# Altium PCB Drivers.PcbDoc (part 1 of 2) (continued)
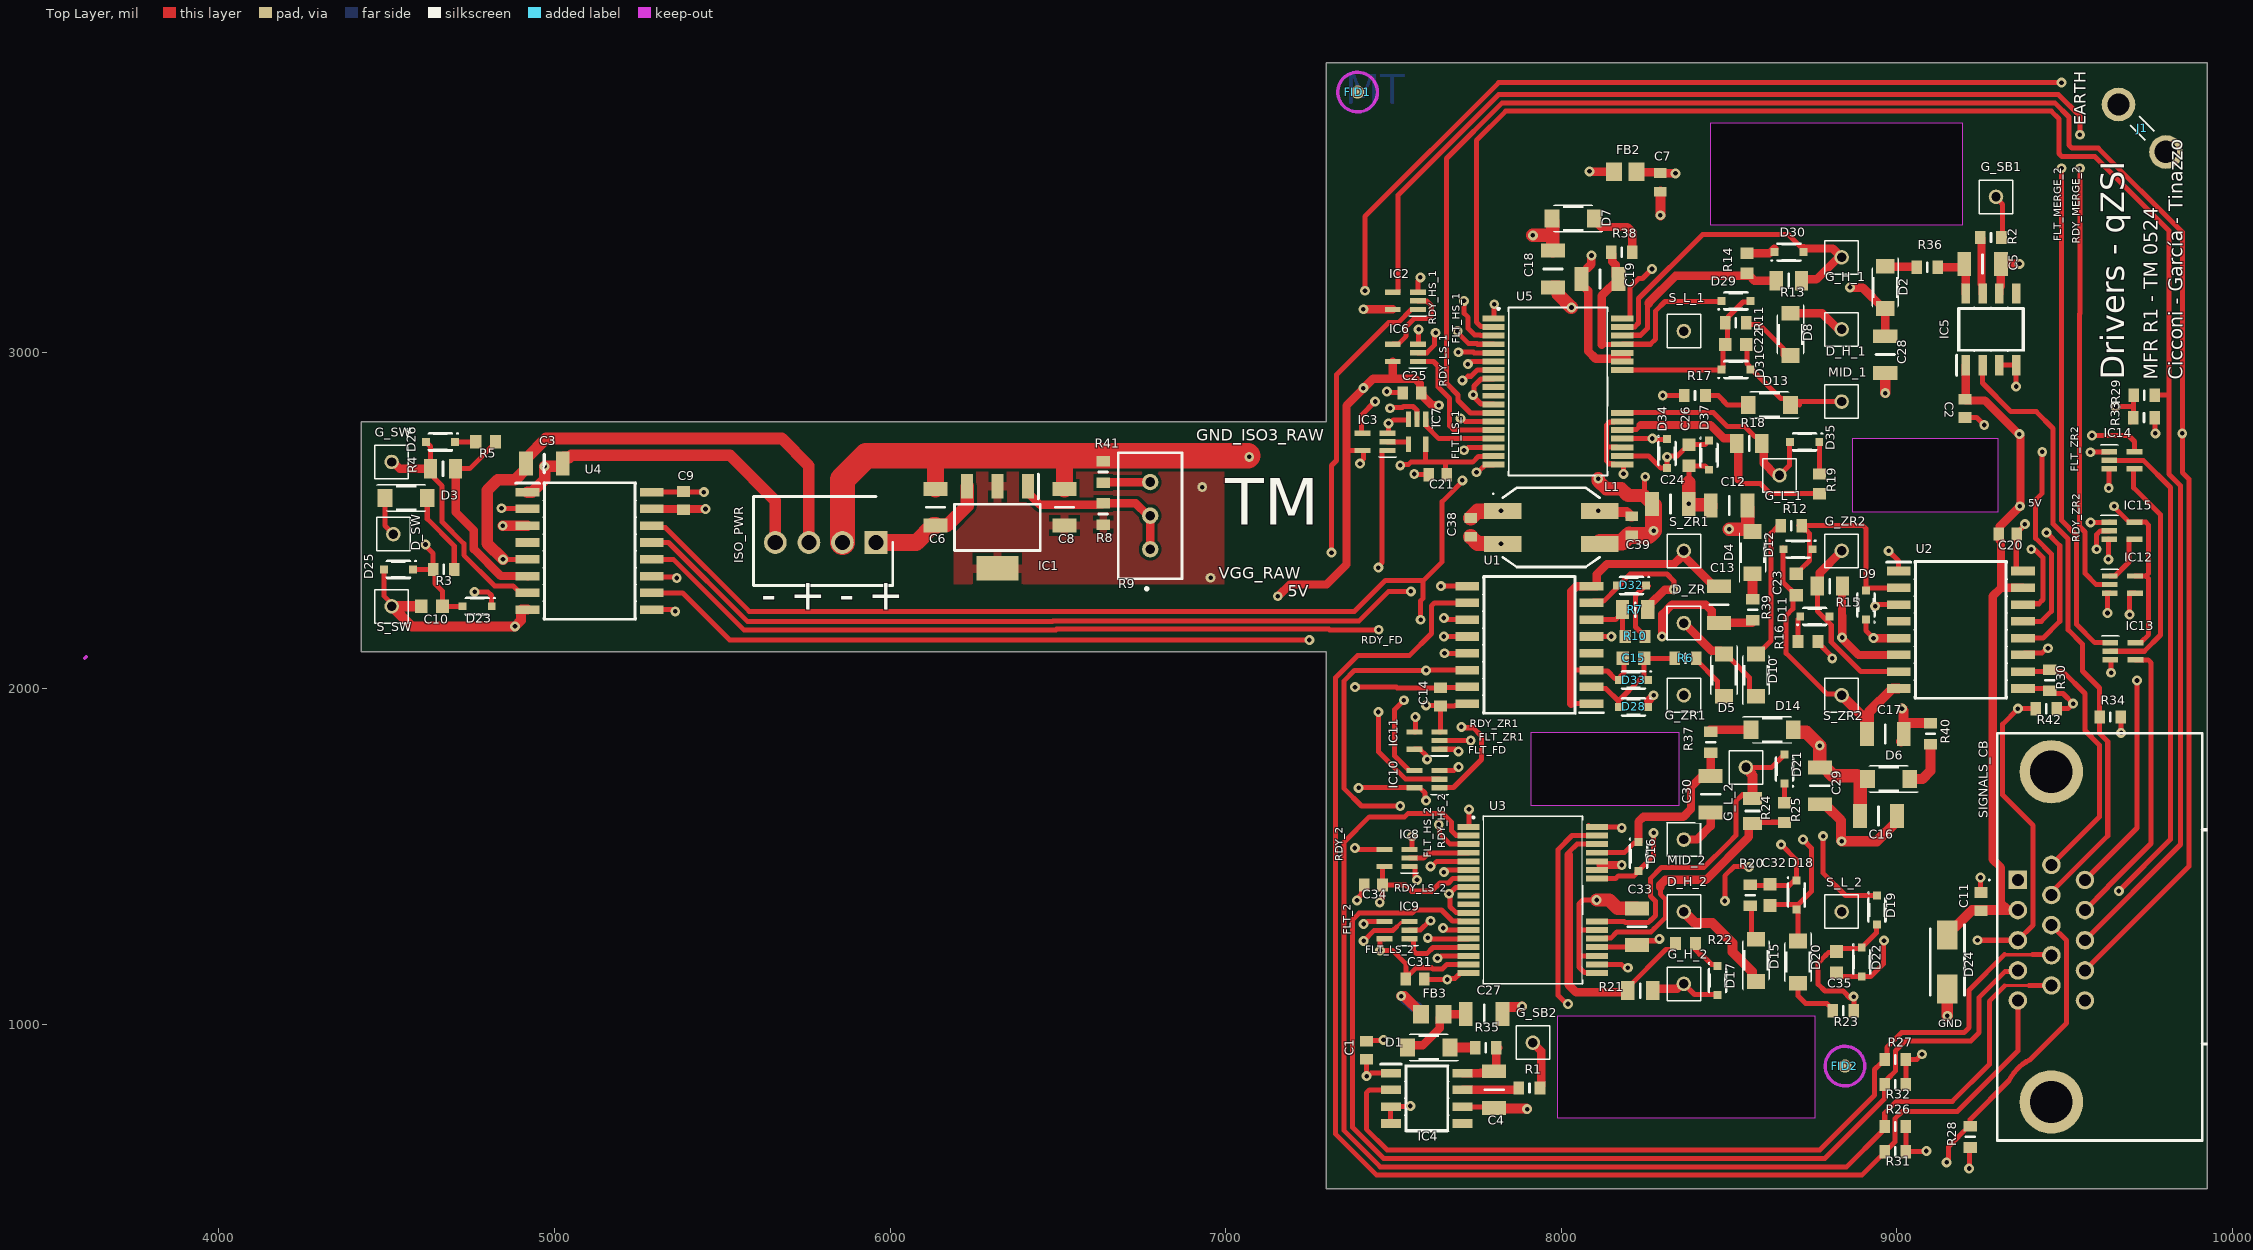
[diagram p0: Top Layer view]
## Components (designator, comment, footprint, x,y, rotation, side; value= is the part's Value field where it differs from the comment)
C1 "100n" CAPC1608X95N 7420,922.17 r90 top
C2 "100n" CAPC1608X95N 9202.76,2834.65 r270 top
C3 "1u 50V 1206" CAPC3216X180N 4970,2670 r180 top value=1u
C4 "1u 50V 1206" CAPC3216X180N 7800,805 r90 top value=1u
C5 "1u 50V 1206" CAPC3216X180N 9255,3265 r180 top value=1u
C6 "1u 50V 1206" CAPC3216X180N 6135,2540 r270 top value=1u
C7 "CGA3E2X7R1H103K080AA" CAPC1608X90N 8295,3507.95 r270 top value=10n
C8 "1u 50V 1206" CAPC3216X180N 6520,2540 r270 top value=1u
C9 "100n" CAPC1608X95N 5385,2560 r90 top
C10 "220p" C0603 4635,2245 r0 top
C11 "100n" CAPC1608X95N 9250,1365 r90 top
C12 "1u 50V 1206" CAPC3216X180N 8500,2545 r0 top value=1u
C13 "1u 50V 1206" CAPC3216X180N 8470,2250 r270 top value=1u
C14 "100n" CAPC1608X95N 7640,1975 r270 top
C15 "220p" C0603 8215,2090 r0 top
C16 "1u 50V 1206" CAPC3216X180N 8945,1620 r180 top value=1u
C17 "1u 50V 1206" CAPC3216X180N 8965.28,1865 r0 top value=1u
C18 "1u 50V 1206" CAPC3216X180N 7975,3250 r90 top value=1u
C19 "1u 50V 1206" CAPC3216X180N 8115,3220 r0 top value=1u
C20 "100n" CAPC1608X95N 9330,2460 r0 top
C21 "100n" CAPC1608X95N 7631.83,2637 r180 top
C22 "220p" C0603 8520,3025 r180 top
C23 "220p" C0603 8700,2310 r90 top
C24 "1u 50V 1206" CAPC3216X180N 8325,2550 r180 top value=1u
C25 "100n" CAPC1608X95N 7555,2880 r180 top
C26 "220p" C0603 8380,2695 r90 top
C27 "1u 50V 1206" CAPC3216X180N 7770,1030 r180 top value=1u
C28 "1u 50V 1206" CAPC3216X180N 8965,2995 r90 top value=1u
C29 "1u 50V 1206" CAPC3216X180N 8770,1710 r90 top value=1u
C30 "1u 50V 1206" CAPC3216X180N 8445,1685 r90 top value=1u
C31 "100n" CAPC1608X95N 7564,1134 r0 top
C32 "220p" C0603 8622,1384.95 r90 top
C33 "1u 50V 1206" CAPC3216X180N 8225,1290 r270 top value=1u
C34 "100n" CAPC1608X95N 7440,1415 r180 top
C35 "220p" C0603 8820,1185 r90 top
C36 "C1206C102KGRACAUTO" C1206 8025,3540 r180 bottom
C37 "C1206C102KGRACAUTO" C1206 7517.74,1032.74 r180 bottom
C38 "CGA3E2X7R1H103K080AA" CAPC1608X90N 7730,2480 r90 top value=10n
C39 "CGA3E2X7R1H103K080AA" CAPC1608X90N 8210,2485 r90 top value=10n
C40 "C1206C102KGRACAUTO" C1206 7760,2530 r180 bottom
C41 "C1206C102KGRACAUTO" C1206 7761.26,2430.79 r180 bottom
D1 "FUS1ME" SODFL3718X120N 7605,930 r180 top
D2 "FUS1ME" SODFL3718X120N 8965,3195 r270 top
D3 "FUS1ME" SODFL3718X120N 4558,2568 r0 top
D4 "FUS1ME" SODFL3718X120N 8570,2405 r90 top
D5 "FUS1ME" SODFL3718X120N 8485,2040 r270 top
D6 "FUS1ME" SODFL3718X120N 8975,1730 r180 top
D7 "FUS1ME" SODFL3718X120N 8035,3400 r180 top
D8 "FUS1ME" SODFL3718X120N 8683,3055 r270 top
D9 "BAT165AX" BAT165AX 8908,2249 r90 top
D10 "FUS1ME" SODFL3718X120N 8580,2040 r90 top
D11 "BAT165AX" BAT165AX 8755,2215 r0 top
D12 "BAT165AX" BAT165AX 8705,2415 r180 top
D13 "FUS1ME" SODFL3718X120N 8620,2845 r180 top
D14 "FUS1ME" SODFL3718X120N 8628,1877 r0 top
D15 "FUS1ME" SODFL3718X120N 8580,1190 r90 top
D16 "BAT165AX" BAT165AX 8230,1500 r270 top
D17 "BAT165AX" BAT165AX 8465,1130 r270 top
D18 "BAT165AX" BAT165AX 8700,1385 r270 top
D19 "BAT165AX" BAT165AX 8940,1340 r270 top
D20 "FUS1ME" SODFL3718X120N 8705,1185 r270 top
D21 "BAT165AX" BAT165AX 8665,1760 r90 top
D22 "BAT165AX" BAT165AX 8895,1185 r270 top
D23 "BAT165AX" BAT165AX 4770,2245 r180 top
D24 "SMAJ5.0A" DIOM5026X229N 9150,1185 r270 top
D25 "BAT165AX" BAT165AX 4535,2355 r180 top
D26 "BAT165AX" BAT165AX 4660,2735 r180 top
D28 "BAT165AX" BAT165AX 8215,1945 r180 top
D29 "BAT165AX" BAT165AX 8520,3155 r0 top
D30 "BAT165AX" BAT165AX 8678,3300 r0 top
D31 "BAT165AX" BAT165AX 8520,2950 r0 top
D32 "BAT165AX" BAT165AX 8209,2307 r180 top
D33 "BAT165AX" BAT165AX 8215,2025 r180 top
D34 "BAT165AX" BAT165AX 8315,2700 r270 top
D35 "BAT165AX" BAT165AX 8725,2735 r180 top
D37 "BAT165AX" BAT165AX 8440,2695 r270 top
D_H_1 "SS-101-T-2" SS-101-XX-2 8835,3070 r90 top locked
D_H_2 "SS-101-T-2" SS-101-XX-2 8365,1335 r0 top locked
D_SW "D_SW" SS-101-XX-2 4520,2460 r0 top
D_ZR "SS-101-T-2" SS-101-XX-2 8365,2195 r270 top locked
FB2 "78279220601" BEADC2012X110N 8190,3540 r0 top
FB3 "78279220601" BEADC2012X110N 7615,1030 r0 top
FID1 "Fiducial" Fiducial 7393,3777 r0 top
FID2 "Fiducial" Fiducial 8845,875 r0 top
G_H_1 "SS-101-T-2" SS-101-XX-2 8835,3284.57 r90 top locked
G_H_2 "SS-101-T-2" SS-101-XX-2 8365,1120 r0 top locked
G_L_1 "SS-101-T-2" SS-101-XX-2 8650,2635 r90 top locked
G_L_2 "SS-101-T-2" SS-101-XX-2 8550,1765 r0 top locked
G_SB1 "SS-101-T-2" SS-101-XX-2 9295,3465 r90 top locked
G_SB2 "SS-101-T-2" SS-101-XX-2 7915,945 r0 top locked
G_SW "G_SW" SS-101-XX-2 4515,2675 r0 top
G_ZR1 "SS-101-T-2" SS-101-XX-2 8365,1980 r90 top locked
G_ZR2 "SS-101-T-2" SS-101-XX-2 8835,2410 r0 top locked
IC1 "NCP1117LPSTADT3G" SOT230P700X180-4N 6320,2480 r270 top
IC2 "74LVC1G08GW,125" SOT65P210X110-5N 7535,3155 r180 top
IC3 "74LVC1G08GW,125" SOT65P210X110-5N 7445,2735 r180 top
IC4 "IRS2101" SOIC127P600X175-8N 7599.23,779 r0 top
IC5 "IRS2101" SOIC127P600X175-8N 9280,3070 r90 top
IC6 "74LVC1G08GW,125" SOT65P210X110-5N 7535,3000 r180 top
IC7 "74LVC1G08GW,125" SOT65P210X110-5N 7570,2765 r270 top
IC8 "74LVC1G08GW,125" SOT65P210X110-5N 7510,1495 r180 top
IC9 "74LVC1G08GW,125" SOT65P210X110-5N 7510,1280 r180 top
IC10 "74LVC1G08GW,125" SOT65P210X110-5N 7600,1730 r180 top
IC11 "74LVC1G08GW,125" SOT65P210X110-5N 7600,1845 r180 top
IC12 "74LVC1G08GW,125" SOT65P210X110-5N 9671.4,2309.59 r0 top
IC13 "74LVC1G08GW,125" SOT65P210X110-5N 9673,2111 r0 top
IC14 "74LVC1G08GW,125" SOT65P210X110-5N 9670,2680 r0 top
IC15 "74LVC1G08GW,125" SOT65P210X110-5N 9670,2470 r0 top
ISO_PWR "3-647050-4" SHDR4W66P0X254_1X4_1016X635X1079P 5958,2435 r180 top
J1 "19705-4303" 197054303 9801.42,3598.58 r135 top
L1 "50105AC" 50105AC 7970,2480 r0 top
MID_1 "SS-101-T-2" SS-101-XX-2 8835,2855 r90 top locked
MID_2 "SS-101-T-2" SS-101-XX-2 8365,1550 r0 top locked
R1 "CRCW0603150RFKEBC" RESC1608X55N 7905,810 r0 top value=150
R2 "CRCW0603150RFKEBC" RESC1608X55N 9280,3344 r0 top value=150
R3 "CRCW06031K00FKEAC" RESC1608X55N 4670,2355 r0 top value=1k
R4 "4R7 0805" RESC2012X60N 4668,2655 r180 top value=4R7
R5 "CRCW060310R0FKEAHP" RESC1608X50N 4795,2735 r180 top value=10
R6 "CRCW06031K00FKEAC" RESC1608X55N 8370,2090 r0 top value=1k
R7 "4R7 0805" RESC2012X60N 8220,2235 r0 top value=4R7
R8 "CRCW0603220RFKEAC" RESC1608X55N 6635,2520 r90 top value=220
R9 "5k" 3296W-1 6775,2515 r90 top
R10 "CRCW060310R0FKEAHP" RESC1608X50N 8220,2155 r0 top value=10
R11 "CRCW06031K00FKEAC" RESC1608X55N 8520,3090 r0 top value=1k
R12 "CRCW06031K00FKEAC" RESC1608X55N 8685,2485 r180 top value=1k
R13 "4R7 0805" RESC2012X60N 8678,3215 r0 top value=4R7
R14 "CRCW060310R0FKEAHP" RESC1608X50N 8553,3267 r90 top value=10
R15 "4R7 0805" RESC2012X60N 8800,2305 r180 top value=4R7
R16 "CRCW060310R0FKEAHP" RESC1608X50N 8735,2140 r180 top value=10
R17 "CRCW06031K00FKEAC" RESC1608X55N 8398,2873 r0 top value=1k
R18 "4R7 0805" RESC2012X60N 8560,2730 r0 top value=4R7
R19 "CRCW060310R0FKEAHP" RESC1608X50N 8769,2610 r90 top value=10
R20 "CRCW06031K00FKEAC" RESC1608X55N 8563,1384 r270 top value=1k
R21 "4R7 0805" RESC2012X60N 8235,1100 r0 top value=4R7
R22 "CRCW060310R0FKEAHP" RESC1608X50N 8370,1240 r0 top value=10
R23 "CRCW06031K00FKEAC" RESC1608X55N 8840,1040 r180 top value=1k
R24 "4R7 0805" RESC2012X60N 8570,1635 r90 top value=4R7
R25 "CRCW060310R0FKEAHP" RESC1608X50N 8665,1630 r90 top value=10
R26 "RMC1_16K1002FTP" RESC1608X55N 8995,695 r180 top value=10k
R27 "RMC1_16K1002FTP" RESC1608X55N 8995,895 r180 top value=10k
R28 "RMC1_16K1002FTP" RESC1608X55N 9218,664 r90 top value=10k
R29 "RMC1_16K1002FTP" RESC1608X55N 9737,2874 r0 top value=10k
R30 "RMC1_16K1002FTP" RESC1608X55N 9455,2025 r90 top value=10k
R31 "RMC1_16K1002FTP" RESC1608X55N 8995,620 r180 top value=10k
R32 "RMC1_16K1002FTP" RESC1608X55N 8995,820 r180 top value=10k
R33 "RMC1_16K1002FTP" RESC1608X55N 9736,2807 r0 top value=10k
R34 "RMC1_16K1002FTP" RESC1608X55N 9635,1915 r180 top value=10k
R35 "1R" RESC1608X55N 7775,930 r0 top
R36 "1R" RESC1608X55N 9090,3255 r0 top
R37 "1R" RESC1608X55N 8445,1840 r270 top
R38 "1R" RESC1608X55N 8180,3300 r180 top
R39 "1R" RESC1608X55N 8570,2235 r270 top
R40 "1R" RESC1608X55N 9100,1865 r90 top
R41 "680R" RESC1608X55N 6635,2645 r90 top
R42 "RMC1_16K1002FTP" RESC1608X55N 9445,1940 r180 top value=10k
S_L_1 "SS-101-T-2" SS-101-XX-2 8365,3065 r90 top locked
S_L_2 "SS-101-T-2" SS-101-XX-2 8835,1335 r0 top locked
S_SW "S_SW" SS-101-XX-2 4515,2245 r0 top
S_ZR1 "SS-101-T-2" SS-101-XX-2 8365,2410 r90 top locked
S_ZR2 "SS-101-T-2" SS-101-XX-2 8835,1980 r0 top locked
SIGNALS_CB "ICD15S13E6GL00LF" ICD15S13E6GL00LF 9360,1429.53 r90 top locked
U1 "1ED020I12B2XUMA1" SOIC127P1028X264-16N 7905,2130 r180 top locked
U2 "1ED020I12B2XUMA1" SOIC127P1028X264-16N 9190,2175 r0 top locked
U3 "2ED020I12F2XUMA1" 2ED020I12F2XUMA1 7915,1370 r0 top locked
U4 "1ED020I12B2XUMA1" SOIC127P1028X264-16N 5105,2410 r0 top
U5 "2ED020I12F2XUMA1" 2ED020I12F2XUMA1 7990,2885 r0 top locked

## Footprints (in the part's own frame and the unit in brackets; to place one, negate y for a bottom-side part, rotate by r counter-clockwise, add the part's x,y. Pads: shape width x height; smd on the part's side, far side on the other; paste and mask are expansions set on the pad)
2ED020I12F2XUMA1 [mm]
  rect 1.67x0.45 smd: 1(-4.865,5.525) 2(-4.865,4.875) 3(-4.865,4.225) 4(-4.865,3.575) 5(-4.865,2.925) 6(-4.865,2.275) 7(-4.865,1.625) 8(-4.865,0.975) 9(-4.865,0.325) 10(-4.865,-0.325) 11(-4.865,-0.975) 12(-4.865,-1.625) 13(-4.865,-2.275) 14(-4.865,-2.925) 15(-4.865,-3.575) 16(-4.865,-4.225) 17(-4.865,-4.875) 18(-4.865,-5.525) 19(4.865,-5.525) 20(4.865,-4.875) 21(4.865,-4.225) 22(4.865,-3.575) 23(4.865,-2.925) 24(4.865,-2.275) 25(4.865,-1.625) 30(4.865,1.625) 31(4.865,2.275) 32(4.865,2.925) 33(4.865,3.575) 34(4.865,4.225) 35(4.865,4.875) 36(4.865,5.525)
  silkscreen extent -4.55,-6.4 3.8,6.4
3296W-1 [mm]
  round 1.24 hole 0.74: 1(-2.54,0) 2(0,0) 3(2.54,0)
  silkscreen extent -5.64,-2.41 4.76,2.41, body extent -4.78,-2.48 4.78,2.35, height 11.55
50105AC [mm]
  rect 2.85x1.2 smd: 1(-3.675,1.25) 2(3.675,1.25) 3(3.675,-1.25) 4(-3.675,-1.25)
  silkscreen extent -4.44,-3 3.65,3, body extent -4.98,-3 4.98,3, height 4.9
197054303 [mm]
  round 2.55 hole 1.7: 1(0,0) 2(5.08,0)
  silkscreen extent 1.74,-0.5 3.34,0.5, body extent -1.4,-0.41 6.48,0.41, height 10.27
BAT165AX [mm]
  rect 0.6x0.6 smd: 1(-1.1,0) 2(1.1,0)
  silkscreen extent -1.41,-0.73 0.96,0.73, body extent -1.24,-0.62 1.24,0.63, height 0.93
BEADC2012X110N [mm]
  rect 1.2x1.4 smd: 1(-0.85,0) 2(0.85,0)
  body extent -1,-0.6 1,0.6, height 1.1
C0603 [mm]
  rect 0.95x1 smd: 1(-0.8,0) 2(0.8,0)
  body extent -0.87,-0.48 0.88,0.47, height 0.87
C1206 [mm]
  rect 1.15x1.8 smd: 1(-1.5,0) 2(1.5,0)
  body extent -1.7,-0.9 1.7,0.9, height 1.75
CAPC1608X90N [mm]
  rect 0.73x0.94 smd: 1(-0.71,0) 2(0.71,0)
  body extent -0.8,-0.4 0.8,0.4, height 0.9
CAPC1608X95N [mm]
  rect 0.81x0.99 smd: 1(-0.69,0) 2(0.69,0)
  body extent -0.82,-0.43 0.82,0.43, height 0.95
CAPC3216X180N [mm]
  rect 1.05x1.82 smd: 1(-1.39,0) 2(1.39,0)
  silkscreen extent -0.11,-0.81 0.11,0.81, body extent -1.6,-0.8 1.6,0.8, height 1.8
DIOM5026X229N [mm]
  rect 2.2x1.55 smd: 1(-2.05,0) 2(2.05,0)
  silkscreen extent -2.83,-1.3 2.52,1.3, body extent -2.52,-1.3 2.52,1.3, height 2.29
Fiducial [mm]
  round 1 smd paste-1 mask+1: 1(0,0)
  Top Layer keep-out circle w0.254: c0,0 r1.5
ICD15S13E6GL00LF [mm]
  rect 1.4x1.4 hole 0.9: 1(0,0)
  round 1.4 hole 0.9: 2(-2.28,0) 3(-4.56,0) 4(-6.84,0) 5(-9.12,0) 6(1.14,-2.54) 7(-1.14,-2.54) 8(-3.42,-2.54) 9(-5.7,-2.54) 10(-7.98,-2.54) 11(0,-5.08) 12(-2.28,-5.08) 13(-4.56,-5.08) 14(-6.84,-5.08) 15(-9.12,-5.08)
  round 4.8 hole 3.2: MH1(8.19,-2.54) MH2(-16.8,-2.54)
  silkscreen extent -19.71,-14.35 11.1,2.2, body extent -19.8,-20.02 11.19,1.56, height 12.55
RESC1608X50N [mm]
  rect 0.85x1 smd: 1(-0.75,0) 2(0.75,0)
  body extent -0.5,-0.25 0.5,0.25, height 0.35
RESC1608X55N [mm]
  rect 0.8x1 smd: 1(-0.8,0) 2(0.8,0)
  silkscreen extent 0,-0.33 0,0.33, body extent -0.8,-0.43 0.8,0.43, height 0.55
RESC2012X60N [mm]
  rect 1x1.45 smd: 1(-0.95,0) 2(0.95,0)
  silkscreen extent 0,-0.53 0,0.53, body extent -1,-0.63 1,0.63, height 0.5
SHDR4W66P0X254_1X4_1016X635X1079P [mm]
  rect 1.725x1.725 hole 1.15: 1(0,0)
  round 1.725 hole 1.15: 2(2.54,0) 3(5.08,0) 4(7.62,0)
  silkscreen extent -1.27,-3.48 9.27,3.25, body extent -1.28,-2.88 8.88,3.47, height 10.52
SODFL3718X120N [mm]
  rect 1.12x1.37 smd: 1(-1.6,0) 2(1.6,0)
  silkscreen extent -2.25,-1.03 1.49,1.03, body extent -1.85,-0.92 1.85,0.92, height 1.2
SOIC127P600X175-8N [mm]
  rect 1.525x0.65 smd: 1(-2.712,1.905) 2(-2.712,0.635) 3(-2.712,-0.635) 4(-2.712,-1.905) 5(2.712,-1.905) 6(2.712,-0.635) 7(2.712,0.635) 8(2.712,1.905)
  silkscreen extent -3.58,-2.56 1.71,2.69, body extent -3,-2.45 3,2.45, height 1.75
SOIC127P1028X264-16N [mm]
  rect 1.8x0.65 smd: 1(-4.7,4.445) 2(-4.7,3.175) 3(-4.7,1.905) 4(-4.7,0.635) 5(-4.7,-0.635) 6(-4.7,-1.905) 7(-4.7,-3.175) 8(-4.7,-4.445) 9(4.7,-4.445) 10(4.7,-3.175) 11(4.7,-1.905) 12(4.7,-0.635) 13(4.7,0.635) 14(4.7,1.905) 15(4.7,3.175) 16(4.7,4.445)
  silkscreen extent -5.71,-5.28 3.56,5.28, body extent -5.14,-5.17 5.14,5.17, height 2.64
SOT65P210X110-5N [mm]
  rect 1.2x0.4 smd: 1(-0.95,0.65) 2(-0.95,0) 3(-0.95,-0.65) 4(0.95,-0.65) 5(0.95,0.65)
  silkscreen extent -1.65,1.13 -0.25,1.21, body extent -1.05,-1.08 1.05,1.07, height 0.95
SOT230P700X180-4N [mm]
  rect 1.85x0.9 smd: 1(-3.1,2.3) 2(-3.1,0) 3(-3.1,-2.3)
  rect 1.85x3.2 smd: 4(3.1,0)
  silkscreen extent -4.13,-3.25 1.75,3.25, body extent -3.5,-3.25 3.5,3.25, height 1.8
SS-101-XX-2 [mm]
  round 1.1 hole 0.71: 1(0,0)
  silkscreen extent -1.27,-1.27 1.27,1.27

## Part data
C1 C2 C9 C11 C14 C20 C21 C25 C31 C34: library part EMK107B7104KA-T, "Capacitor", Manufacturer_Name="TAIYO YUDEN", Mouser Part Number=963-EMK107B7104KA-T, Arrow Part Number=EMK107B7104KA-T, Arrow Price/Stock=https://www.arrow.com/en/products/emk107b7104ka-t/taiyo-yuden, Datasheet Link=http://www.farnell.com/datasheets/746258.pdf, Height=0.95mm, Manufacturer_Part_Number=EMK107B7104KA-T, Mouser Price/Stock=https://www.mouser.co.uk/ProductDetail/Taiyo-Yuden/EMK107B7104KA-T?qs=I6KAKw0tg2ybqzX8hKPgfw%3D%3D
C3 C4 C5 C6 C8 C12 C13 C16 C17 C18 C19 C24 C27 C28 C29 C30 C33: library part C3216X7R1H105K160AE, "Capacitor", Manufacturer_Name=TDK, Mouser Part Number=810-C3216X7R1H105KST, Arrow Part Number=C3216X7R1H105K160AE, Arrow Price/Stock=https://www.arrow.com/en/products/c3216x7r1h105k160ae/tdk?region=nac, Datasheet Link=https://product.tdk.com/info/en/catalog/datasheets/mlcc_commercial_midvoltage_en.pdf, Height=1.8mm, Manufacturer_Part_Number=C3216X7R1H105K160AE, Mouser Price/Stock=https://www.mouser.co.uk/ProductDetail/TDK/C3216X7R1H105K160AE?qs=LcTL%2F5vFEzHWgMW0Em18fQ%3D%3D
C7 C38 C39: "Capacitor", Manufacturer_Name=TDK-Lambda, Mouser Part Number=810-CGA3E2X7R1H103K, Arrow Part Number=CGA3E2X7R1H103K080AA, Arrow Price/Stock=https://www.arrow.com/en/products/cga3e2x7r1h103k080aa/tdk?region=nac, Datasheet Link=http://docs-europe.electrocomponents.com/webdocs/14e9/0900766b814e9125.pdf, Height=0.9mm, Manufacturer_Part_Number=CGA3E2X7R1H103K080AA, Mouser Price/Stock=https://www.mouser.co.uk/ProductDetail/TDK/CGA3E2X7R1H103K080AA?qs=NRhsANhppD8MREuCb2mQKQ%3D%3D
C10 C15 C22 C23 C26 C32 C35: library part C0603C221J5HACAUTO, "Capacitor", Manufacturer_Name=KEMET, Mouser Part Number=80-C0603C221J5HAUTO, Datasheet Link=https://content.kemet.com/datasheets/KEM_C1007_X8R_ULTRA_150C_SMD.pdf, Height=0.87mm, Manufacturer_Part_Number=C0603C221J5HACAUTO, Mouser Price/Stock=https://www.mouser.co.uk/ProductDetail/KEMET/C0603C221J5HACAUTO?qs=j%252B1pi9TdxUZayjzZ3rh80g%3D%3D
C36 C37 C40 C41: "Capacitor", Manufacturer_Name=KEMET, Mouser Part Number=80-C1206C102KGRAUTO, Arrow Part Number=C1206C102KGRACAUTO, Arrow Price/Stock=https://www.arrow.com/en/products/c1206c102kgracauto/kemet-corporation?region=nac, Datasheet Link=https://content.kemet.com/datasheets/KEM_C1076_X7R_HV_AUTO_SMD.pdf, Manufacturer_Part_Number=C1206C102KGRACAUTO, Mouser Price/Stock=https://www.mouser.co.uk/ProductDetail/KEMET/C1206C102KGRACAUTO?qs=02kMkzikyGKenJNcwYLRQw%3D%3D
D1 D2 D3 D4 D5 D6 D7 D8 D10 D13 D14 D15 D20: "Diode", Manufacturer_Name="Diodes Incorporated", Mouser Part Number=621-FUS1ME, Datasheet Link=https://www.diodes.com/assets/Datasheets/FUS1ME.pdf, Height=1.2mm, Manufacturer_Part_Number=FUS1ME, Mouser Price/Stock=https://www.mouser.co.uk/ProductDetail/Diodes-Incorporated/FUS1ME?qs=Znm5pLBrcAI2lQqtoxHPBQ%3D%3D
D9 D11 D12 D16 D17 D18 D19 D21 D22 D23 D25 D26 D28 D29 D30 D31 D32 D33 D34 D35 D37: "Schottky Diode", Manufacturer_Name=Nexperia, Mouser Part Number=771-BAT165AX, Arrow Part Number=BAT165AX, Arrow Price/Stock=https://www.arrow.com/en/products/bat165ax/nexperia?region=nac, Datasheet Link=https://assets.nexperia.com/documents/data-sheet/BAT165A.pdf, Height=1.1mm, Manufacturer_Part_Number=BAT165AX, Mouser Price/Stock=https://www.mouser.co.uk/ProductDetail/Nexperia/BAT165AX?qs=1fQ7IOp4WriMQ9TlJoQ5jw%3D%3D
D24: "TVS Diode (Uni-directional)", Manufacturer_Name=LITTELFUSE, Mouser Part Number=576-SMAJ5.0A, Arrow Part Number=SMAJ5.0A, Arrow Price/Stock=https://www.arrow.com/en/products/smaj5.0a/littelfuse?region=europe, Datasheet Link=https://www.littelfuse.com/~/media/electronics/datasheets/tvs_diodes/littelfuse_tvs_diode_smaj_datasheet.pdf.pdf, Height=2.29mm, Manufacturer_Part_Number=SMAJ5.0A, Mouser Price/Stock=https://www.mouser.co.uk/ProductDetail/Littelfuse/SMAJ5.0A?qs=2VFNtWizgicfetZVA4gWHA%3D%3D
D_H_1 D_H_2 D_ZR G_H_1 G_H_2 G_L_1 G_L_2 G_SB1 G_SB2 G_ZR1 G_ZR2 MID_1 MID_2 S_L_1 S_L_2 S_ZR1 S_ZR2: "Connector", Manufacturer_Name=SAMTEC, Mouser Part Number=200-SS101T2, Arrow Part Number=SS-101-T-2, Arrow Price/Stock=https://www.arrow.com/en/products/ss-101-t-2/samtec, Datasheet Link=http://suddendocs.samtec.com/prints/sx-1xx-xx-xx-x-x-mkt.pdf, Manufacturer_Part_Number=SS-101-T-2, Mouser Price/Stock=https://www.mouser.co.uk/ProductDetail/Samtec/SS-101-T-2?qs=rU5fayqh%252BE1oUmnQsbG0BA%3D%3D